# Altium PCB Version_2.PcbDoc (part 1 of 6) (continued)
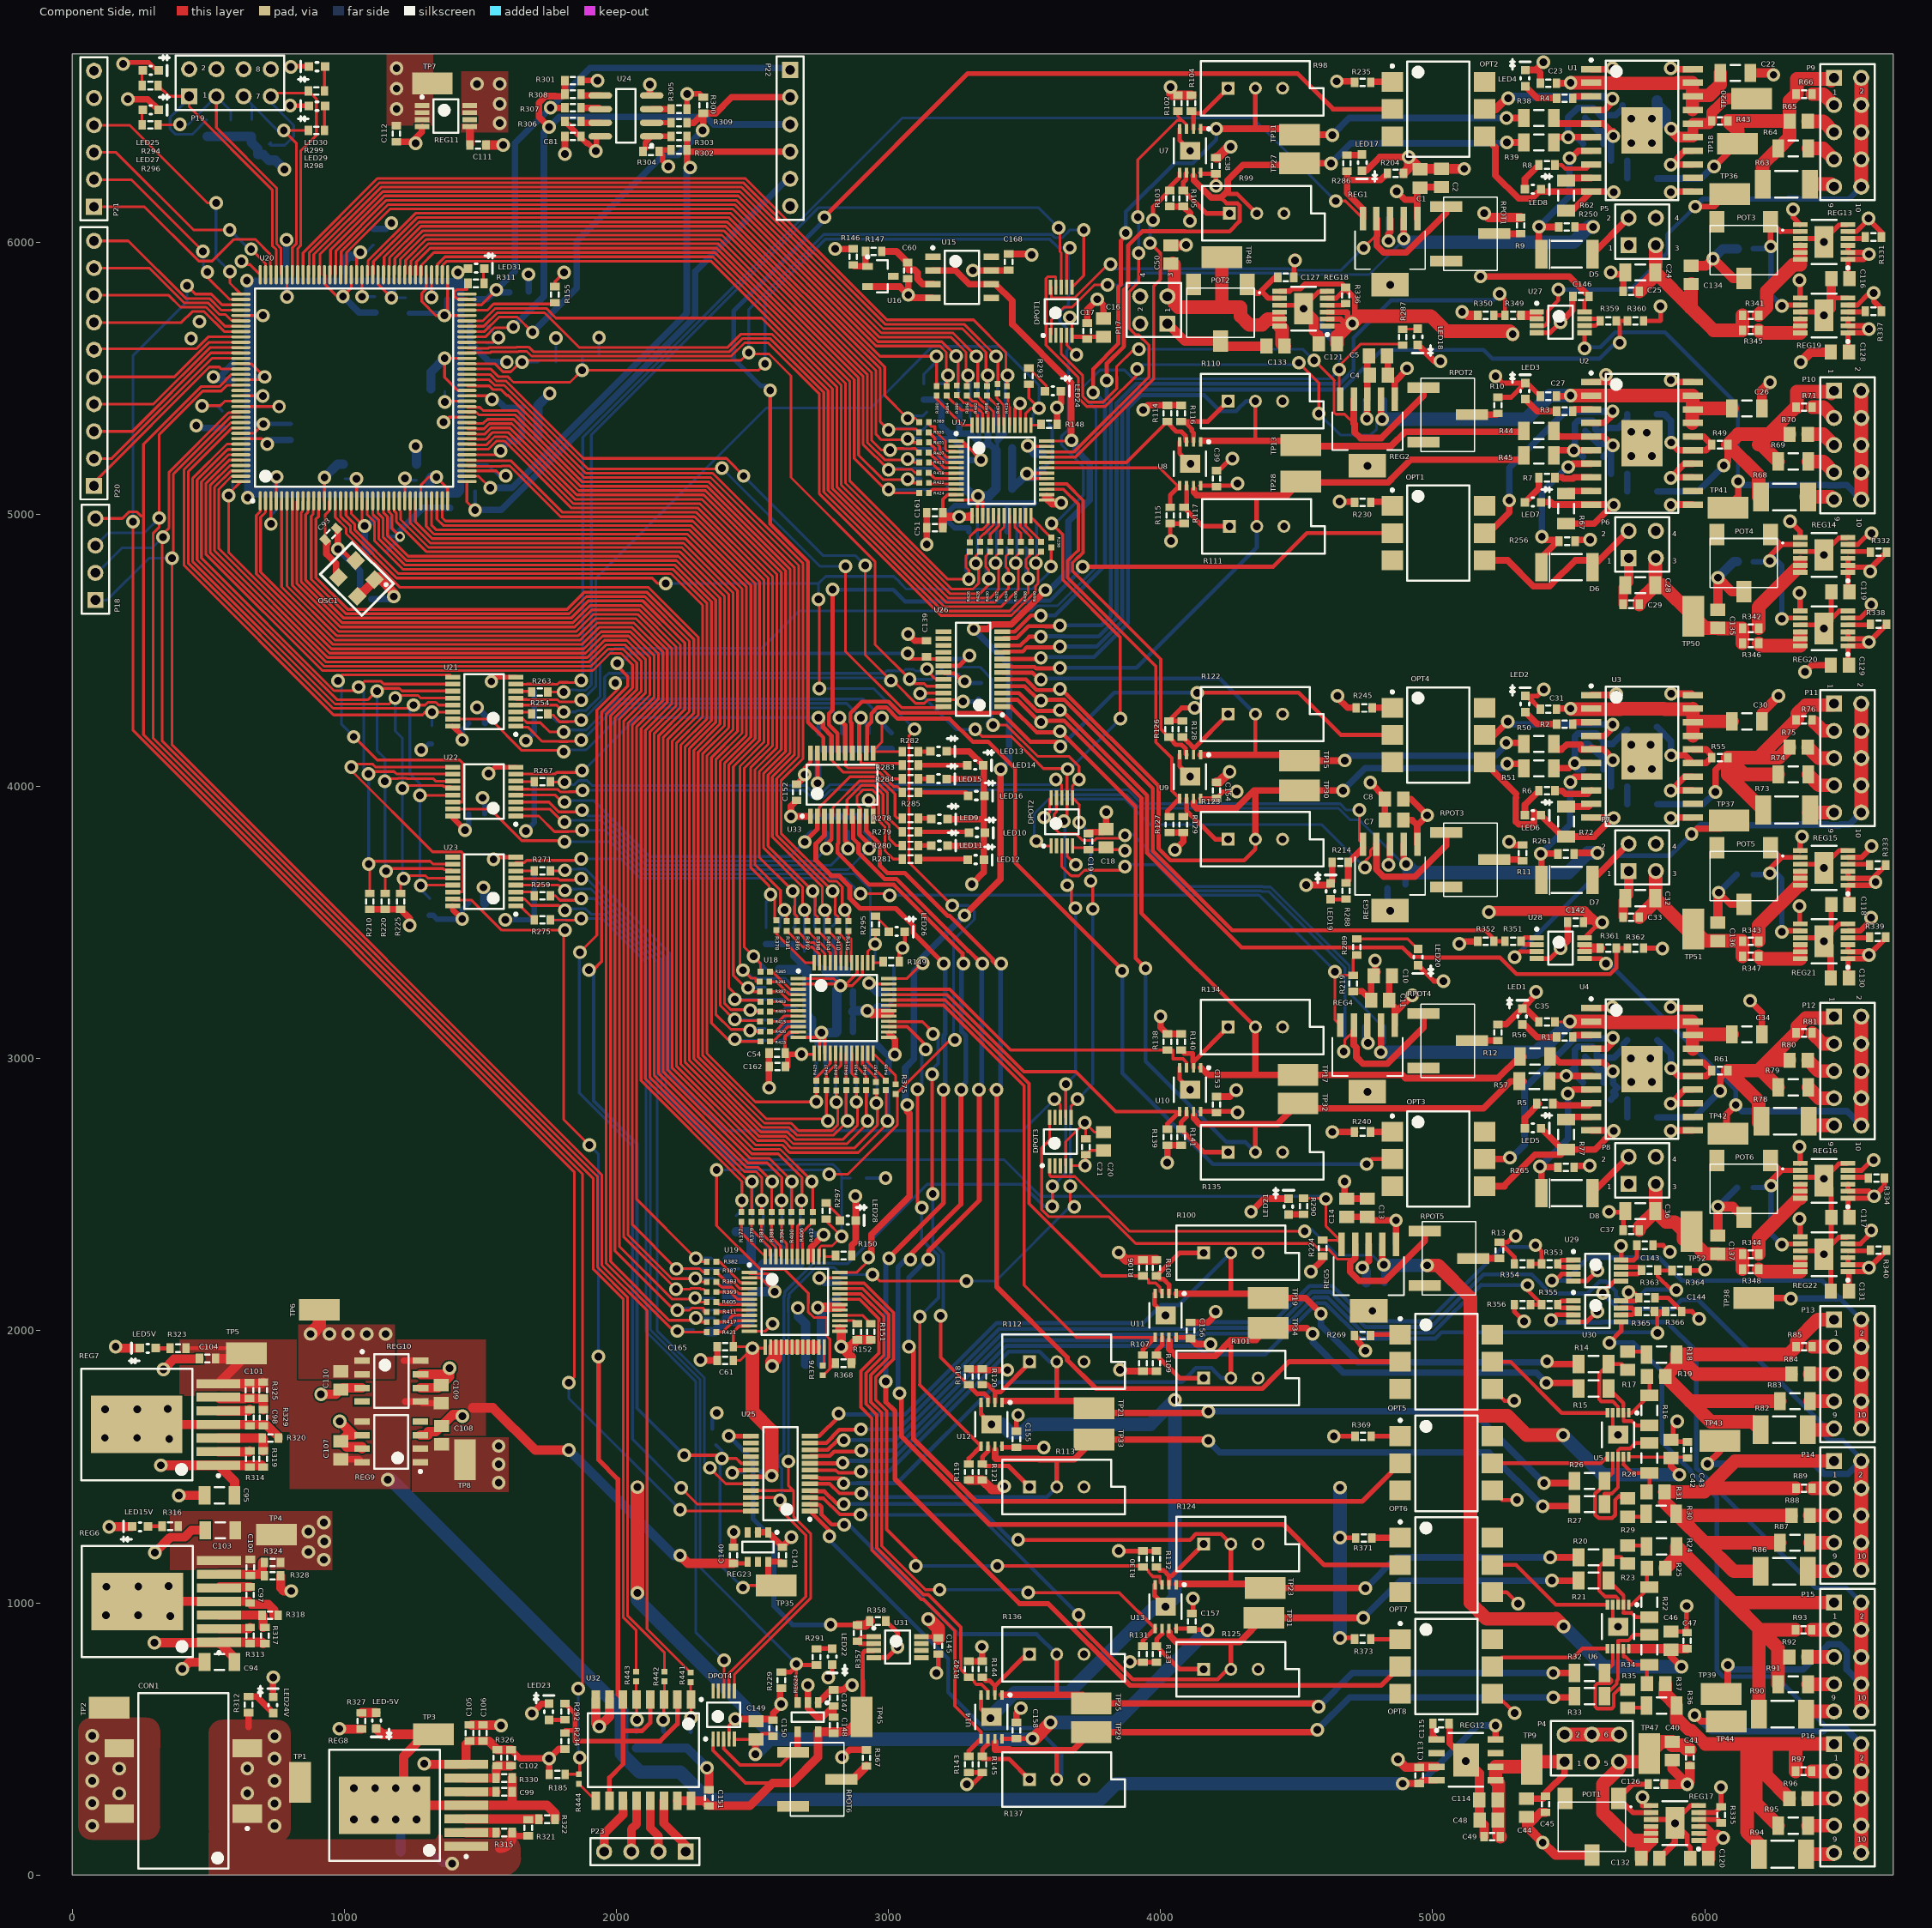
[diagram p0: Component Side view]
## Components (designator, comment, footprint, x,y, rotation, side; value= is the part's Value field where it differs from the comment) (continued)
R47 "Res3" J1-0603#1 5685.24,5149.27 r180 bottom
R48 "Res3" RES_1206 5770.24,5084.27 r0 bottom
R49 "Res3" J1-0603#1 6055.24,5255.96 r0 top
R50 "Res3" RES_1206 5390.24,4156.73 r180 top
R51 "Res3" RES_1206 5390.24,4066.8 r180 top
R52 "Res3" RES_1206 5769.68,4218.5 r0 bottom
R53 "Res3" J1-0603#1 5685.24,3999.27 r180 bottom
R54 "Res3" RES_1206 5770.24,3934.27 r0 bottom
R55 "Res3" J1-0603#1 6055.24,4105.96 r0 top
R56 "Res3" RES_1206 5375.98,3007.87 r180 top
R57 "Res3" RES_1206 5374.02,2917.32 r180 top
R58 "Res3" RES_1206 5770.67,3066.93 r0 bottom
R59 "Res3" J1-0603#1 5685.24,2849.27 r180 bottom
R60 "Res3" RES_1206 5770.24,2784.27 r0 bottom
R61 "Res3" J1-0603#1 6055.24,2955.96 r0 top
R62 "Res3" RES_1206 5490.24,6171 r90 top
R63 "Res3" RES_2010 6300.2,6212.6 r180 top
R64 "Res3" RES_1206 6325.24,6344.27 r180 top
R65 "Res3" RES_0805 6345.24,6444.27 r180 top
R66 "Res3" J1-0603#1 6365.24,6544.27 r180 top
R67 "Res3" RES_1206 5490.24,5021 r90 top
R68 "Res3" RES_2010 6293.31,5063.98 r180 top
R69 "Res3" RES_1206 6325.24,5194.27 r180 top
R70 "Res3" RES_0805 6345.24,5294.27 r180 top
R71 "Res3" J1-0603#1 6365.24,5394.27 r180 top
R72 "Res3" RES_1206 5490.24,3871 r90 top
R73 "Res3" RES_2010 6301.18,3913.39 r180 top
R74 "Res3" RES_1206 6325.24,4044.27 r180 top
R75 "Res3" RES_0805 6345.24,4144.27 r180 top
R76 "Res3" J1-0603#1 6365.24,4244.27 r180 top
R77 "Res3" RES_1206 5490.24,2721 r90 top
R78 "Res3" RES_2010 6295.28,2769.68 r180 top
R79 "Res3" RES_1206 6325.24,2894.27 r180 top
R80 "Res3" RES_0805 6345.24,2994.27 r180 top
R81 "Res3" J1-0603#1 6365.24,3094.27 r180 top
R82 "Res3" RES_2010 6292.4,1635.96 r180 top
R83 "Res3" RES_1206 6331.77,1740.96 r180 top
R84 "Res3" RES_0805 6352.44,1840.96 r180 top
R85 "Res3" J1-0603#1 6365.24,1940.96 r180 top
R86 "Res3" RES_2010 6292.4,1115.96 r180 top
R87 "Res3" RES_1206 6331.77,1220.96 r180 top
R88 "Res3" RES_0805 6352.44,1320.96 r180 top
R89 "Res3" J1-0603#1 6365.24,1420.96 r180 top
R90 "Res3" RES_2010 6285.58,590.96 r180 top
R91 "Res3" RES_1206 6324.95,700.96 r180 top
R92 "Res3" RES_0805 6344.63,800.96 r180 top
R93 "Res3" J1-0603#1 6363.33,900.96 r180 top
R94 "Res3" RES_2010 6285.58,75.96 r180 top
R95 "Res3" RES_1206 6324.95,180.96 r180 top
R96 "Res3" RES_0805 6344.63,280.96 r180 top
R97 "Res3" J1-0603#1 6363.33,380.96 r180 top
R98 "RPot" VR5 4348.55,6565.96 r0 top
R99 "RPot" VR5 4353.55,6105.96 r0 top
R100 "RPot" VR5 4258.55,2285.96 r0 top
R101 "RPot" VR5 4258.55,1825.96 r0 top
R102 "Res3" J1-0603#1 4063.54,6510.96 r270 top
R103 "Res3" J1-0603#1 4033.54,6160.96 r90 top
R104 "Res3" J1-0603#1 4113.55,6510.96 r270 top
R105 "Res3" J1-0603#1 4083.54,6160.96 r90 top
R106 "Res3" J1-0603#1 3935.24,2230.96 r270 top
R107 "Res3" J1-0603#1 3935.24,1880.96 r90 top
R108 "Res3" J1-0603#1 3985.24,2230.96 r270 top
R109 "Res3" J1-0603#1 3985.24,1880.96 r90 top
R110 "RPot" VR5 4348.55,5415.96 r0 top
R111 "RPot" VR5 4353.55,4955.96 r0 top
R112 "RPot" VR5 3618.54,1885.96 r0 top
R113 "RPot" VR5 3618.54,1425.96 r0 top
R114 "Res3" J1-0603#1 4025.24,5370.96 r270 top
R115 "Res3" J1-0603#1 4035.24,4995.96 r90 top
R116 "Res3" J1-0603#1 4075.24,5370.96 r270 top
R117 "Res3" J1-0603#1 4086.3,4995.96 r90 top
R118 "Res3" J1-0603#1 3295.24,1830.96 r270 top
R119 "Res3" J1-0603#1 3295.24,1480.96 r90 top
R120 "Res3" J1-0603#1 3345.24,1830.96 r270 top
R121 "Res3" J1-0603#1 3345.24,1480.96 r90 top
R122 "RPot" VR5 4348.55,4265.96 r0 top
R123 "RPot" VR5 4348.55,3805.96 r0 top
R124 "RPot" VR5 4258.55,1215.96 r0 top
R125 "RPot" VR5 4258.55,755.96 r0 top
R126 "Res3" J1-0603#1 4030.24,4210.96 r270 top
R127 "Res3" J1-0603#1 4033.11,3859.98 r90 top
R128 "Res3" J1-0603#1 4080.24,4210.96 r270 top
R129 "Res3" J1-0603#1 4083.11,3859.98 r90 top
R130 "Res3" J1-0603#1 3935.24,1160.96 r270 top
R131 "Res3" J1-0603#1 3935.24,810.96 r90 top
R132 "Res3" J1-0603#1 3985.24,1160.96 r270 top
R133 "Res3" J1-0603#1 3985.24,810.96 r90 top
R134 "RPot" VR5 4348.55,3115.96 r0 top
R135 "RPot" VR5 4348.55,2655.96 r0 top
R136 "RPot" VR5 3618.54,810.96 r0 top
R137 "RPot" VR5 3618.54,350.96 r0 top
R138 "Res3" J1-0603#1 4025.24,3060.96 r270 top
R139 "Res3" J1-0603#1 4025.24,2710.96 r90 top
R140 "Res3" J1-0603#1 4075.24,3060.96 r270 top
R141 "Res3" J1-0603#1 4075.24,2710.96 r90 top
R142 "Res3" J1-0603#1 3295.24,755.96 r270 top
R143 "Res3" J1-0603#1 3295.24,405.96 r90 top
R144 "Res3" J1-0603#1 3345.24,755.96 r270 top
R145 "Res3" J1-0603#1 3345.24,405.96 r90 top
R146 "Res3" J1-0603#1 2870.24,5945.96 r90 top
R147 "Res3" J1-0603#1 2945.24,5965.96 r0 top
R148 "Res3" J1-0603#1 3590.24,5330.96 r180 top
R149 "Res3" J1-0603#1 3010.24,3355.96 r180 top
R150 "Res3" J1-0603#1 2835.24,2275.96 r180 top
R151 "Res3" J1-0603#1 2935.24,1995.96 r90 top
R152 "Res3" J1-0603#1 2885.24,1995.96 r90 top
R153 "Res3" J1-0603#1 1453.07,5182.8 r180 bottom
R154 "Res3" J1-0603#1 618.43,5118.82 r0 bottom
R155 "Res3" J1-0603#1 1773.62,5807.09 r90 top
R156 "Res3" J1-0603#1 1453.07,5791.06 r0 bottom
R157 "Res3" J1-0603#1 1647.64,5818.9 r180 bottom
R158 "Res3" J1-0603#1 2678.15,3085.63 r0 bottom
R159 "Res3" J1-0603#1 2736.22,3021.65 r90 bottom
R160 "Res3" J1-0603#1 2770.24,2920.96 r90 bottom
R161 "Res3" J1-0603#1 2812.01,3022.64 r90 bottom
R162 "Res3" J1-0603#1 2845.24,2920.96 r90 bottom
R163 "Res3" J1-0603#1 3435.24,4906.43 r90 bottom
R164 "Res3" J1-0603#1 2884.84,3023.62 r90 bottom
R165 "Res3" J1-0603#1 2716.03,3862.14 r90 bottom
R166 "Res3" J1-0603#1 496.06,6418.31 r270 bottom
R167 "Res3" J1-0603#1 3469.25,5010.29 r90 bottom
R168 "Res3" J1-0603#1 2925.24,2920.96 r90 bottom
R169 "Res3" J1-0603#1 2776.03,3862.14 r90 bottom
R170 "Res3" J1-0603#1 2272.64,496.06 r270 bottom
R171 "Res3" J1-0603#1 582.68,6419.29 r270 bottom
R172 "Res3" J1-0603#1 3505.24,4906.43 r90 bottom
R173 "Res3" J1-0603#1 2957.68,3021.65 r90 bottom
R174 "Res3" J1-0603#1 2851.03,3862.14 r90 bottom
R175 "Res3" J1-0603#1 2175.2,496.06 r270 bottom
R176 "Res3" J1-0603#1 660.43,6420.28 r270 bottom
R177 "Res3" J1-0603#1 3534.25,5010.29 r90 bottom
R178 "Res3" J1-0603#1 3000.24,2920.96 r90 bottom
R179 "Res3" J1-0603#1 2916.03,3862.14 r90 bottom
R180 "Res3" J1-0603#1 2072.83,496.06 r270 bottom
R181 "Res3" J1-0603#1 723.43,6330.71 r270 bottom
R182 "Res3" J1-0603#1 2845.08,3352.3 r270 bottom
R183 "Res3" J1-0603#1 2715.24,2393.6 r270 bottom
R184 "Res3" J1-0603#1 3011.03,4167.14 r270 bottom
R185 "Res3" J1-0603#1 1782.48,369.09 r180 top
R186 "Res3" J1-0603#1 3425.24,5325.96 r270 bottom
R187 "Res3" J1-0603#1 2800.24,3460.96 r270 bottom
R188 "Res3" J1-0603#1 2675.24,2275.96 r270 bottom
R189 "Res3" J1-0603#1 2926.03,4167.14 r270 bottom
R190 "Res3" J1-0603#1 1906.5,5585.63 r0 bottom
R191 "Res3" J1-0603#1 3400.24,5425.96 r270 bottom
R192 "Res3" J1-0603#1 2766.34,3352.3 r270 bottom
R193 "Res3" J1-0603#1 2640.24,2393.6 r270 bottom
R194 "Res3" J1-0603#1 2831.03,4167.14 r270 bottom
R195 "Res3" J1-0603#1 3330.71,4351.38 r90 bottom
R196 "Res3" J1-0603#1 3365.24,5325.96 r270 bottom
R197 "Res3" J1-0603#1 2730.24,3460.96 r270 bottom
R198 "Res3" J1-0603#1 2615.24,2275.96 r270 bottom
R199 "Res3" J1-0603#1 2743.32,4164.84 r270 bottom
R200 "Res3" J1-0603#1 1748.03,5559.06 r0 bottom
R201 "Res3" J1-0603#1 3330.24,5425.96 r270 bottom
R202 "Res3" J1-0603#1 2700.24,3355.96 r270 bottom
R203 "Res3" J1-0603#1 2570.24,2393.6 r270 bottom
R204 "Res3" J1-0603#1 4863.19,6252.95 r0 top
R205 "Res3" J1-0603#1 1320.87,4186.02 r270 bottom
R206 "Res3" J1-0603#1 3300.24,5325.96 r270 bottom
R207 "Res3" J1-0603#1 2650.24,3450.96 r270 bottom
R208 "Res3" J1-0603#1 2555.24,2275.96 r270 bottom
R209 "Res3" J1-0603#1 4658.46,5617.13 r90 bottom
R210 "Res3" J1-0603#1 1093.5,3577.76 r270 top
R211 "Res3" J1-0603#1 3260.24,5425.96 r270 bottom
R212 "Res3" J1-0603#1 2600.24,3450.96 r270 bottom
R213 "Res3" J1-0603#1 2500.24,2393.6 r270 bottom
R214 "Res3" J1-0603#1 4660.24,3720.96 r180 top
R215 "Res3" J1-0603#1 1315.94,3551.18 r270 bottom
R216 "Res3" J1-0603#1 3180.24,5450.96 r270 bottom
R217 "Res3" J1-0603#1 2550.24,3450.96 r270 bottom
R218 "Res3" J1-0603#1 2440.24,2393.6 r270 bottom
R219 "Res3" J1-0603#1 4707.68,3276.57 r270 top
R220 "Res3" J1-0603#1 1150.1,3577.76 r270 top
R221 "Res3" J1-0603#1 3130.24,5450.96 r270 bottom
R222 "Res3" J1-0603#1 2565.24,3330.96 r0 bottom
R223 "Res3" J1-0603#1 2376.46,2265.95 r0 bottom
R224 "Res3" J1-0603#1 4595.47,2303.15 r270 top
R225 "Res3" J1-0603#1 1206.69,3577.76 r270 top
R226 "Res3" J1-0603#1 3165.24,5375.96 r0 bottom
R227 "Res3" J1-0603#1 2670.24,3273.17 r0 bottom
R228 "Res3" J1-0603#1 2487.2,2221.46 r0 bottom
R229 "Res3" J1-0603#1 2606.3,715.55 r270 top
R230 "Res3" J1-0603#1 4743.11,5044.29 r0 top
R231 "Res3" J1-0603#1 3165.24,5325.96 r0 bottom
R232 "Res3" J1-0603#1 2559.06,3248.03 r0 bottom
R233 "Res3" J1-0603#1 2376.46,2192.95 r0 bottom
R234 "Res3" J1-0603#1 1811.02,492.13 r270 top
R235 "Res3" J1-0603#1 4743.11,6587.6 r0 top
R236 "Res3" J1-0603#1 3145.24,5275.96 r0 bottom
R237 "Res3" J1-0603#1 2670.24,3216.5 r0 bottom
R238 "Res3" R0402 3598.43,4896.65 r270 top
R239 "Res3" J1-0603#1 3560.71,5330.96 r0 bottom
R240 "Res3" J1-0603#1 4742.13,2730.32 r0 top
R241 "Res3" J1-0603#1 3248.24,5235.96 r0 bottom
R242 "Res3" J1-0603#1 2565.24,3173.17 r0 bottom
R243 "Res3" J1-0603#1 2376.46,2119.95 r0 bottom
R244 "Res3" J1-0603#1 2989.17,3341.54 r0 bottom
R245 "Res3" J1-0603#1 4748.03,4288.39 r0 top
R246 "Res3" J1-0603#1 3145.24,5200.96 r0 bottom
R247 "Res3" J1-0603#1 2670.24,3159.83 r0 bottom
R248 "Res3" J1-0603#1 2485.24,2075.96 r0 bottom
R249 "Res3" J1-0603#1 2889.76,2561.02 r0 bottom
R250 "Res3" J1-0603#1 5493.55,6055.96 r180 top
R251 "Res3" J1-0603#1 3248.24,5160.96 r0 bottom
R252 "Res3" J1-0603#1 2563.9,3098.43 r0 bottom
R253 "Res3" J1-0603#1 2376.46,2046.95 r0 bottom
R254 "Res3" J1-0603#1 1718.5,4266.73 r180 top
R255 "Res3" J1-0603#1 1718.5,4266.73 r180 bottom
R256 "Res3" J1-0603#1 5494.09,4901.57 r180 top
R257 "Res3" J1-0603#1 3145.24,5130.96 r0 bottom
R258 "Res3" J1-0603#1 2306.46,1996.95 r0 bottom
R259 "Res3" J1-0603#1 1727.36,3598.43 r180 top
R260 "Res3" J1-0603#1 1727.36,3598.43 r180 bottom
R261 "Res3" J1-0603#1 5490.16,3751.97 r180 top
R262 "Res3" J1-0603#1 3248.24,5100.96 r0 bottom
R263 "Res3" J1-0603#1 1718.5,4347.44 r180 top
R264 "Res3" J1-0603#1 1718.5,4347.44 r180 bottom
R265 "Res3" J1-0603#1 5490.16,2600.39 r180 top
R266 "Res3" J1-0603#1 3295.24,4906.43 r90 bottom
R267 "Res3" J1-0603#1 1727.36,4017.72 r180 top
R268 "Res3" J1-0603#1 1727.36,4017.72 r180 bottom
R269 "Res3" J1-0603#1 4742.13,1982.28 r0 top
R270 "Res3" J1-0603#1 3329.25,5010.29 r90 bottom
R271 "Res3" J1-0603#1 1727.36,3689.96 r180 top
R272 "Res3" J1-0603#1 1727.36,3689.96 r180 bottom
R274 "Res3" J1-0603#1 3365.24,4906.43 r90 bottom
R275 "Res3" J1-0603#1 1727.36,3509.84 r180 top
R276 "Res3" J1-0603#1 1727.36,3509.84 r180 bottom
R277 "Res3" J1-0603#1 3399.25,5010.29 r90 bottom
R278 "Res3" J1-0603#1 3080.24,3883.13 r0 top
R279 "Res3" J1-0603#1 3080.24,3833.13 r0 top
R280 "Res3" J1-0603#1 3080.24,3783.13 r0 top
R281 "Res3" J1-0603#1 3080.24,3733.13 r0 top
R282 "Res3" J1-0603#1 3080.24,4128.13 r0 top
R283 "Res3" J1-0603#1 3080.24,4078.13 r0 top
R284 "Res3" J1-0603#1 3080.24,4028.13 r0 top
R285 "Res3" J1-0603#1 3080.24,3978.13 r0 top
R286 "Res3" J1-0603#1 4685.24,6290.96 r90 top
R287 "Res3" J1-0603#1 4890.24,5650.96 r90 top
R288 "Res3" J1-0603#1 4682.09,3616.14 r270 top
R289 "Res3" J1-0603#1 4721.46,3410.43 r90 top
R290 "Res3" J1-0603#1 4525.59,2457.27 r270 top
R291 "Res3" J1-0603#1 2735.24,801.18 r90 top
R292 "Res3" J1-0603#1 1811.02,600.39 r270 top
R293 "Res3" J1-0603#1 3515.75,5507.87 r90 top
R294 "Res3" J1-0603#1 286.34,6575.96 r180 top
R295 "Res3" J1-0603#1 2952.17,3493.52 r90 top
R296 "Res3" J1-0603#1 286.34,6430.96 r180 top
R297 "Res3" J1-0603#1 2770.67,2439.96 r90 top
R298 "Res3" J1-0603#1 897.8,6410.96 r0 top
R299 "Res3" J1-0603#1 897.8,6555.96 r0 top
R300 "Res3" J1-0603#1 2318.97,6503.41 r270 top
R301 "Res3" J1-0603#1 1840.2,6594.04 r180 top
R302 "Res3" J1-0603#1 2230.2,6339.04 r0 top
R303 "Res3" J1-0603#1 2230.2,6389.04 r0 top
R304 "Res3" J1-0603#1 2126.97,6333.66 r180 top
R305 "Res3" J1-0603#1 2230.2,6489.04 r180 top
R306 "Res3" J1-0603#1 1840.2,6444.04 r0 top
R307 "Res3" J1-0603#1 1840.2,6494.04 r0 top
R308 "Res3" J1-0603#1 1840.2,6544.04 r0 top
R309 "Res3" J1-0603#1 2230.2,6439.04 r180 top
R310 "Res3" J1-0603#1 1453.07,5086.34 r180 bottom
R311 "Res3" J1-0603#1 1484.25,5848.43 r180 top
R312 "Res3" J1-0603#1 648.23,625.96 r90 top
R313 "Res3" J1-0603#1 653.54,879.92 r90 top
R314 "Res3" J1-0603#1 652.56,1528.54 r90 top
R315 "Res3" J1-0603#1 1587.64,155.96 r180 top
R316 "Res3" J1-0603#1 360.24,1281.5 r180 top
R317 "Res3" J1-0603#1 707.68,879.92 r90 top
R318 "Res3" J1-0603#1 727.36,954.72 r0 top
R319 "Res3" J1-0603#1 701.77,1528.54 r90 top
R320 "Res3" J1-0603#1 728.35,1605.31 r0 top
R321 "Res3" J1-0603#1 1676.18,173.23 r90 top
R322 "Res3" J1-0603#1 1745.08,204.72 r0 top
R323 "Res3" J1-0603#1 388.78,1936.03 r180 top
R324 "Res3" J1-0603#1 736.22,1148.62 r0 top
R325 "Res3" J1-0603#1 701.77,1781.5 r90 top
R326 "Res3" J1-0603#1 1562.64,430.96 r90 top
R327 "Res3" J1-0603#1 1062.64,565.96 r90 top
R328 "Res3" J1-0603#1 736.22,1099.41 r180 top
R329 "Res3" J1-0603#1 702.76,1680.12 r90 top
R330 "Res3" J1-0603#1 1587.64,355.96 r180 top
R331 "Res3" J1-0603#1 6620.08,6018.7 r0 top
R332 "Res3" J1-0603#1 6638.55,4860.96 r0 top
R333 "Res3" J1-0603#1 6635.83,3710.63 r0 top
R334 "Res3" J1-0603#1 6630.91,2561.02 r0 top
R335 "Res3" J1-0603#1 6060.24,220.96 r90 top
R336 "Res3" J1-0603#1 4680.12,5804.13 r90 top
R337 "Res3" J1-0603#1 6620.08,5745.96 r0 top
R338 "Res3" J1-0603#1 6638.55,4595.96 r0 top
R339 "Res3" J1-0603#1 6635.83,3445.87 r0 top
R340 "Res3" J1-0603#1 6638.55,2295.96 r0 top
R341 "Res3" J1-0603#1 6168.54,5730.96 r0 top
R342 "Res3" J1-0603#1 6168.55,4580.96 r0 top
R343 "Res3" J1-0603#1 6168.55,3430.96 r0 top
R344 "Res3" J1-0603#1 6168.55,2280.96 r0 top
R345 "Res3" J1-0603#1 6168.55,5675.96 r0 top
R346 "Res3" J1-0603#1 6168.55,4525.96 r0 top
R347 "Res3" J1-0603#1 6168.55,3375.96 r0 top
R348 "Res3" J1-0603#1 6168.55,2225.96 r0 top
R349 "Res3" J1-0603#1 5295.24,5730.96 r180 top
R350 "Res3" J1-0603#1 5195.24,5730.96 r180 top
R351 "Res3" J1-0603#1 5295.24,3430.96 r180 top
R352 "Res3" J1-0603#1 5195.24,3430.96 r180 top
R353 "Res3" J1-0603#1 5430.24,2245.96 r180 top
R354 "Res3" J1-0603#1 5330.24,2245.96 r180 top
R355 "Res3" J1-0603#1 5430.24,2095.96 r180 top
R356 "Res3" J1-0603#1 5330.24,2095.96 r180 top
R357 "Res3" J1-0603#1 2885.83,888.78 r90 top
R358 "Res3" J1-0603#1 2960.63,933.07 r0 top
R359 "Res3" J1-0603#1 5645.24,5710.96 r0 top
R360 "Res3" J1-0603#1 5745.24,5710.96 r0 top
R361 "Res3" J1-0603#1 5645.24,3405.96 r0 top
R362 "Res3" J1-0603#1 5745.24,3405.96 r0 top
R363 "Res3" J1-0603#1 5797.24,2222.44 r0 top
R364 "Res3" J1-0603#1 5909.45,2221.46 r0 top
R365 "Res3" J1-0603#1 5786.06,2070.96 r0 top
R366 "Res3" J1-0603#1 5886.06,2070.96 r0 top
R367 "Res3" J1-0603#1 2919.29,430.12 r270 top
R368 "Res3" J1-0603#1 2834.65,1880.91 r0 top
R369 "Res3" J1-0603#1 4744.09,1612.2 r0 top
R371 "Res3" J1-0603#1 4747.05,1238.19 r0 top
R373 "Res3" J1-0603#1 4743.11,867.13 r0 top
R375 "Res3" R0402 3026.57,2887.8 r270 top
R376 "Res3" R0402 2758.86,1854.33 r270 top
R377 "Res3" R0402 2459.65,2418.31 r270 top
R378 "Res3" R0402 2588.58,3490.16 r270 top
R379 "Res3" R0402 2496.49,2418.31 r270 top
R380 "Res3" R0402 3176.74,5453.74 r270 top
R381 "Res3" R0402 2626.41,3487.2 r270 top
R382 "Res3" R0402 2349.41,2252.95 r180 top
R383 "Res3" R0402 2533.32,2418.31 r270 top
R384 "Res3" R0402 3213.72,5453.74 r270 top
R385 "Res3" R0402 2547.24,3318.76 r180 top
R386 "Res3" R0402 2664.23,3487.2 r270 top
R387 "Res3" R0402 2349.41,2216.11 r180 top
R388 "Res3" R0402 2570.16,2418.31 r270 top
R389 "Res3" R0402 3130.91,5338.58 r180 top
R390 "Res3" R0402 3250.98,5455.71 r270 top
R391 "Res3" R0402 2544.29,3282.48 r180 top
R392 "Res3" R0402 2702.05,3487.2 r270 top
R393 "Res3" R0402 2349.41,2179.27 r180 top
R394 "Res3" R0402 2607,2418.31 r270 top
R395 "Res3" R0402 3129.92,5301.18 r180 top
R396 "Res3" R0402 3287.68,5453.74 r270 top
R397 "Res3" R0402 2545.28,3247.05 r180 top
R398 "Res3" R0402 2739.87,3487.2 r270 top
R399 "Res3" R0402 2349.41,2142.44 r180 top
R400 "Res3" R0402 2643.84,2418.31 r270 top
R401 "Res3" R0402 3130.91,5264.34 r180 top
R402 "Res3" R0402 3323.82,5456.69 r270 top
R403 "Res3" R0402 2547.24,3209.08 r180 top
R404 "Res3" R0402 2777.7,3487.2 r270 top
R405 "Res3" R0402 2349.41,2105.6 r180 top
R406 "Res3" R0402 2680.68,2418.31 r270 top
R407 "Res3" R0402 3129.92,5226.38 r180 top
R408 "Res3" R0402 3361.64,5453.74 r270 top
R409 "Res3" R0402 2547.24,3172.53 r180 top
R410 "Res3" R0402 2815.52,3487.2 r270 top
R411 "Res3" R0402 2349.41,2068.76 r180 top
R412 "Res3" R0402 2722.44,2418.31 r270 top
R413 "Res3" R0402 3130.91,5190.1 r180 top
R414 "Res3" R0402 3400.59,5461.61 r270 top
R415 "Res3" R0402 2546.26,3135.83 r180 top
R416 "Res3" R0402 2853.34,3487.2 r270 top
R417 "Res3" R0402 2349.41,2031.92 r180 top
R418 "Res3" R0402 3129.92,5152.56 r180 top
R419 "Res3" R0402 3435.6,5453.74 r270 top
R420 "Res3" R0402 2547.24,3099.41 r180 top
R421 "Res3" R0402 2349.41,1995.08 r180 top
R422 "Res3" R0402 3130.91,5115.86 r180 top
R423 "Res3" R0402 2547.24,3062.85 r180 top
R424 "Res3" R0402 3130.91,5078.74 r180 top
R425 "Res3" R0402 2735.24,2901.57 r270 top
R426 "Res3" R0402 3299.21,4879.92 r270 top
R427 "Res3" R0402 2771.65,2901.57 r270 top
R428 "Res3" R0402 3336.62,4880.91 r270 top
R429 "Res3" R0402 2808.07,2900.59 r270 top
R430 "Res3" R0402 3374.02,4880.91 r270 top
R431 "Res3" R0402 2844.49,2901.57 r270 top
R432 "Res3" R0402 3411.42,4880.91 r270 top
R433 "Res3" R0402 2880.91,2901.57 r270 top
R434 "Res3" R0402 3448.82,4880.91 r270 top
R435 "Res3" R0402 2917.32,2901.57 r270 top
R436 "Res3" R0402 3486.22,4880.91 r270 top
R437 "Res3" R0402 2953.74,2896.65 r270 top
R438 "Res3" R0402 3523.62,4880.91 r270 top
R439 "Res3" R0402 2990.16,2901.57 r270 top
R440 "Res3" R0402 3561.02,4880.91 r270 top
R441 "Res3" R0402 2272.64,726.38 r90 top
R442 "Res3" R0402 2176.18,729.33 r90 top
R443 "Res3" R0402 2072.83,729.33 r90 top
R444 "Res3" R0402 1862.2,352.36 r270 top
REG1 "TPS73801_DCQ6" TPS73801_DCQ6 4843.55,5970.96 r180 top
REG2 "TPS73801_DCQ6" TPS73801_DCQ6 4760.24,5305.96 r180 top
REG3 "TPS73801_DCQ6" TPS73801_DCQ6 4843.55,3670.96 r180 top
REG4 "TPS73801_DCQ6" TPS73801_DCQ6 4760.24,3005.96 r180 top
REG5 "TPS73801_DCQ6" TPS73801_DCQ6 4765.24,2200.96 r180 top
REG6 "LMZ14203_NDW" LMZ14203_NDW 239.17,1004.92 r180 top
REG7 "LMZ14203_NDW" LMZ14203_NDW 237.2,1655.51 r180 top
REG8 "LMZ14203_NDW" LMZ14203_NDW 1147.64,255.96 r180 top
REG9 "LT1936A_S8" LT1936A_S8 1172.36,1591.32 r180 top
REG10 "LT1936A_S8" LT1936A_S8 1173.03,1814.54 r0 top
REG11 "LT3020_MS8" LT3020_MS8 1373.03,6463.52 r0 top
REG12 "LP3879_SOIC8" LP3879_SOIC8 5122.88,422.65 r0 top
REG13 "LT3090_MSOP12" LT3090_MSOP12 6438.55,6000.96 r180 top
REG14 "LT3090_MSOP12" LT3090_MSOP12 6438.55,4850.96 r180 top
REG15 "LT3090_MSOP12" LT3090_MSOP12 6438.55,3700.96 r180 top
REG16 "LT3090_MSOP12" LT3090_MSOP12 6438.55,2550.96 r180 top
REG17 "LT3090_MSOP12" LT3090_MSOP12 5890.24,190.96 r180 top
REG18 "LT3090_MSOP12" LT3090_MSOP12 4525.24,5755.96 r180 top
REG19 "LT3090_MSOP12" LT3090_MSOP12 6438.55,5730.96 r180 top
REG20 "LT3090_MSOP12" LT3090_MSOP12 6438.55,4580.96 r180 top
REG21 "LT3090_MSOP12" LT3090_MSOP12 6438.55,3430.96 r180 top
REG22 "LT3090_MSOP12" LT3090_MSOP12 6438.55,2280.96 r180 top
REG23 "LT1790_TSOT6" LT1790_TSOT6 2520.24,1204.98 r270 top
REG24 "MIC5235_SOT23_5" MIC5235_SOT23_5 2703.74,579.72 r270 top
RPOT1 "TS63Y_POT" TS63Y_POT 5138.55,6030.96 r180 top
RPOT2 "TS63Y_POT" TS63Y_POT 5055.24,5365.96 r180 top
RPOT3 "TS63Y_POT" TS63Y_POT 5138.55,3730.96 r180 top
RPOT4 "TS63Y_POT" TS63Y_POT 5055.24,3065.96 r180 top
RPOT5 "TS63Y_POT" TS63Y_POT 5060.24,2265.96 r180 top
RPOT6 "TS63Y_POT" TS63Y_POT 2738.19,351.38 r180 top
TP1 "Test Point" TestPoint 838.23,340.96 r90 top
TP2 "Test Point" TestPoint 135.83,615.16 r180 top
TP3 "Test Point" TestPoint 1327.64,515.96 r0 top
TP4 "Test Point" TestPoint 750.98,1250 r0 top
TP5 "Test Point" TestPoint 639.76,1916.34 r0 top
TP6 "Test Point" TestPoint 908.46,2075.79 r0 top
TP7 "Test Point" TestPoint 1323.62,6582.56 r0 top
TP8 "Test Point" TestPoint 1442.36,1526.32 r270 top
TP9 "Test Point" TestPoint 5365.24,405.96 r90 top
TP11 "Test Point" TestPoint 4510.24,6395.96 r180 top
TP13 "Test Point" TestPoint 4515.24,5255.96 r180 top
TP15 "Test Point" TestPoint 4510.24,4095.96 r180 top
TP17 "Test Point" TestPoint 4505.24,2940.96 r180 top
TP18 "Test Point" TestPoint 6121.06,6363.19 r180 top
TP19 "Test Point" TestPoint 4395.24,2120.96 r180 top
TP20 "Test Point" TestPoint 6172.24,6528.54 r180 top
TP21 "Test Point" TestPoint 3755.24,1715.96 r180 top
TP23 "Test Point" TestPoint 4385.24,1055.96 r180 top
TP25 "Test Point" TestPoint 3745.24,630.96 r180 top
TP27 "Test Point" TestPoint 4510.24,6290.96 r180 top
TP28 "Test Point" TestPoint 4515.24,5120.96 r180 top
TP29 "Test Point" TestPoint 3745.24,525.96 r180 top
TP30 "Test Point" TestPoint 4510.24,3985.96 r180 top
TP31 "Test Point" TestPoint 4380.24,945.96 r180 top
TP32 "Test Point" TestPoint 4505.24,2835.96 r180 top
TP33 "Test Point" TestPoint 3755.24,1600.96 r180 top
TP34 "Test Point" TestPoint 4395.24,2010.96 r180 top
TP35 "Test Point" TestPoint 2586.61,1062.99 r0 top
TP36 "Test Point" TestPoint 6092.52,6178.15 r180 top
TP37 "Test Point" TestPoint 6089.57,3875.98 r180 top
TP38 "Test Point" TestPoint 6180.24,2120.96 r180 top
TP39 "Test Point" TestPoint 6060.24,665.96 r180 top
TP41 "Test Point" TestPoint 6085.63,5025.59 r180 top
TP42 "Test Point" TestPoint 6085.63,2725.39 r180 top
TP43 "Test Point" TestPoint 6055.24,1595.96 r180 top
TP44 "Test Point" TestPoint 6078.74,564.96 r180 top
TP45 "Test Point" TestPoint 2902.56,580.71 r90 top
TP47 "Test Point" TestPoint 5795.24,445.96 r270 top
TP48 "Test Point" TestPoint 4225.24,5945.96 r180 top
TP50 "Test Point" TestPoint 5958.55,4625.96 r90 top
TP51 "Test Point" TestPoint 5958.55,3475.96 r90 top
TP52 "Test Point" TestPoint 5952.76,2365.16 r90 top
U1 "OPA564_HSOP20_BOTTOM" OPA564_HSOP20_BOTTOM 5769.49,6410.96 r0 top
U2 "OPA564_HSOP20_BOTTOM" OPA564_HSOP20_BOTTOM 5769.49,5260.96 r0 top
U3 "OPA564_HSOP20_BOTTOM" OPA564_HSOP20_BOTTOM 5769.49,4110.96 r0 top
U4 "OPA564_HSOP20_BOTTOM" OPA564_HSOP20_BOTTOM 5769.49,2960.96 r0 top
U5 "THS4226_10SOP" THS4226_10SOP 5681.58,1617.43 r270 top
U6 "THS4226_10SOP" THS4226_10SOP 5681.58,912.43 r270 top
U7 "LTC6269_MS8E" LTC6269_MSOP8 4108.55,6335.96 r270 top
U8 "LTC6269_MS8E" LTC6269_MSOP8 4108.55,5185.96 r270 top
U9 "LTC6269_MS8E" LTC6269_MSOP8 4108.55,4035.96 r270 top
U10 "LTC6269_MS8E" LTC6269_MSOP8 4108.55,2885.96 r270 top
U11 "LTC6269_MS8E" LTC6269_MSOP8 4018.54,2055.96 r270 top
U12 "LTC6269_MS8E" LTC6269_MSOP8 3378.54,1655.96 r270 top
U13 "LTC6269_MS8E" LTC6269_MSOP8 4018.54,985.96 r270 top
U14 "LTC6269_MS8E" LTC6269_MSOP8 3378.54,580.96 r270 top
U15 "OP193_SOIC8" OP193_SOIC8 3270.24,5870.96 r0 top
U16 "AD1580_SOT23_3" AD1580_SOT23_3 2970.32,5874.27 r0 top
U17 "ADC7125_LQFP48" ADV7125_LQFP48 3415.24,5160.96 r0 top
U18 "ADC7125_LQFP48" ADV7125_LQFP48 2835.24,3185.96 r0 top
U19 "ADC7125_LQFP48" ADV7125_LQFP48 2655.24,2105.96 r0 top
U20 "XC6SLX9-3TQG144C" TQG144_N 1035.31,5465 r90 top
U21 "MC74HC595A_TSSOP16" MC74HC595A_TSSOP16 1514.04,4311.73 r180 top
U22 "MC74HC595A_TSSOP16" MC74HC595A_TSSOP16 1514.04,3981.16 r180 top
U23 "MC74HC595A_TSSOP16" MC74HC595A_TSSOP16 1514.04,3650.59 r180 top
U24 "M25P16-VMN6P" MICT-MN-8_N 2035.2,6464.04 r180 top
U25 "MAX11625_24SSOP" MAX11625_24SSOP 2602.6,1475.02 r180 top
U26 "MAX11625_24SSOP" MAX11625_24SSOP 3310.24,4430.96 r180 top
U27 "MIC7122_MSOP8" MIC7122_MSOP8 5470.24,5705.96 r0 top
U28 "MIC7122_MSOP8" MIC7122_MSOP8 5470.24,3405.96 r0 top
U29 "MIC7122_MSOP8" MIC7122_MSOP8 5605.24,2220.96 r0 top
U30 "MIC7122_MSOP8" MIC7122_MSOP8 5605.24,2070.96 r0 top
U31 "MIC7122_MSOP8" MIC7122_MSOP8 3033.62,837.28 r0 top
U32 "MIC4468_SOIC16" MIC4468_SOIC16 2099.41,458.66 r270 top
U33 "SN74LV244A_TSOP20" SN74LV244A_TSOP20 2828.74,4006.89 r90 top

## Footprints (in the part's own frame and the unit in brackets; to place one, negate y for a bottom-side part, rotate by r counter-clockwise, add the part's x,y. Pads: shape width x height; smd on the part's side, far side on the other; paste and mask are expansions set on the pad)
4N38M_SMD6 [mm]
  rect 2x1.85 smd: 1(-4.3,2.54) 2(-4.3,0) 3(-4.3,-2.54) 4(4.3,-2.54) 5(4.3,0) 6(4.3,2.54)
  silkscreen extent -4.42,-4.45 2.9,4.45, body extent -3.3,-4.45 3.3,4.45, height 5.08
"100MHz oscillator" [mm]
  rect 1.24x1.29 smd: 1(0,-2.25) 2(2.5,-2.25) 3(2.5,0) 4(0,0)
  silkscreen extent -1.55,-3.22 3.92,0.98
AD1580_SOT23_3 [mm] "SOT23, 3-Leads, Body 2.92x2.37mm, Pitch 0.95mm, IPC Medium Density"
  rect 1x0.65 smd: 1(-1.2,0.95) 2(-1.2,-0.95) 3(1.2,0)
  silkscreen extent -1.32,-1.5 0.7,1.95, body extent -0.7,-1.52 0.7,1.52, height 1.12
AD5162_SOP10 [mm]
  rect 1.4x0.3 smd: 1(-2.25,1) 2(-2.25,0.5) 3(-2.25,0) 4(-2.25,-0.5) 5(-2.25,-1) 6(2.25,-1) 7(2.25,-0.5) 8(2.25,0) 9(2.25,0.5) 10(2.25,1)
  silkscreen extent -2.37,-1.55 1.15,1.82, body extent -1.55,-1.55 1.55,1.55, height 1.1
ADV7125_LQFP48 [mm] "LQFP, 48-Leads, Body 7.00x7.00mm, Pitch 0.50mm, IPC Medium Density"
  rect 1.45x0.3 smd: 1(-4.225,2.75) 2(-4.225,2.25) 3(-4.225,1.75) 4(-4.225,1.25) 5(-4.225,0.75) 6(-4.225,0.25) 7(-4.225,-0.25) 8(-4.225,-0.75) 9(-4.225,-1.25) 10(-4.225,-1.75) 11(-4.225,-2.25) 12(-4.225,-2.75) 25(4.225,-2.75) 26(4.225,-2.25) 27(4.225,-1.75) 28(4.225,-1.25) 29(4.225,-0.75) 30(4.225,-0.25) 31(4.225,0.25) 32(4.225,0.75) 33(4.225,1.25) 34(4.225,1.75) 35(4.225,2.25) 36(4.225,2.75)
  rect 0.3x1.45 smd: 13(-2.75,-4.225) 14(-2.25,-4.225) 15(-1.75,-4.225) 16(-1.25,-4.225) 17(-0.75,-4.225) 18(-0.25,-4.225) 19(0.25,-4.225) 20(0.75,-4.225) 21(1.25,-4.225) 22(1.75,-4.225) 23(2.25,-4.225) 24(2.75,-4.225) 37(2.75,4.225) 38(2.25,4.225) 39(1.75,4.225) 40(1.25,4.225) 41(0.75,4.225) 42(0.25,4.225) 43(-0.25,4.225) 44(-0.75,4.225) 45(-1.25,4.225) 46(-1.75,4.225) 47(-2.25,4.225) 48(-2.75,4.225)
  silkscreen extent -4.35,-3.1 3.1,3.57, body extent -3.5,-3.5 3.5,3.5, height 1.6
Barrel_2.1mmx5.5mm [mm]
  rect 2.75x1.7 smd: 1(-5.975,3.05) 1(-5.975,-3.05) 2(5.975,-3.05) 3(5.975,3.05)
  silkscreen extent -6.1,-8.2 4.2,8.2, body extent -4.6,-8.2 4.6,8.2, height 11.2
HDR1X4 [mm] "Connector; Header; 4 Position"
  rect 1.5x1.5 hole 0.9: 1(0,0)
  round 1.5 hole 0.9: 2(2.54,0) 3(5.08,0) 4(7.62,0)
  silkscreen extent -1.27,-1.27 8.89,1.27
HDR1X6 [mm] "Connector; Header; 6 Position"
  rect 1.5x1.5 hole 0.9: 1(0,0)
  round 1.5 hole 0.9: 2(2.54,0) 3(5.08,0) 4(7.62,0) 5(10.16,0) 6(12.7,0)
  silkscreen extent -1.27,-1.27 13.97,1.27
HDR1X10 [mm] "Connector; Header; 10 Position"
  rect 1.5x1.5 hole 0.9: 1(0,0)
  round 1.5 hole 0.9: 2(2.54,0) 3(5.08,0) 4(7.62,0) 5(10.16,0) 6(12.7,0) 7(15.24,0) 8(17.78,0) 9(20.32,0) 10(22.86,0)
  silkscreen extent -1.27,-1.27 24.13,1.27
HDR2X2 [mm] "Connector; Header; 2x2 Position"
  rect 1.5x1.5 hole 0.9: 1(0,0)
  round 1.5 hole 0.9: 2(0,2.54) 3(2.54,0) 4(2.54,2.54)
  silkscreen extent -1.27,-1.27 3.81,3.81
HDR2X3 [mm] "Connector; Header; 3x2 Position"
  rect 1.5x1.5 hole 0.9: 1(0,0)
  round 1.5 hole 0.9: 2(0,2.54) 3(2.54,0) 4(2.54,2.54) 5(5.08,0) 6(5.08,2.54)
  silkscreen extent -1.27,-1.27 6.35,3.81
HDR2X4 [mm] "Connector; Header; 4x2 Position"
  rect 1.5x1.5 hole 0.9: 1(0,0)
  round 1.5 hole 0.9: 2(0,2.54) 3(2.54,0) 4(2.54,2.54) 5(5.08,0) 6(5.08,2.54) 7(7.62,0) 8(7.62,2.54)
  silkscreen extent -1.27,-1.27 8.89,3.81
HDR2X5 [mm] "Connector; Header; 5x2 Position"
  rect 1.5x1.5 hole 0.9: 1(0,0)
  round 1.5 hole 0.9: 2(0,2.54) 3(2.54,0) 4(2.54,2.54) 5(5.08,0) 6(5.08,2.54) 7(7.62,0) 8(7.62,2.54) 9(10.16,0) 10(10.16,2.54)
  silkscreen extent -1.27,-1.27 11.43,3.81
J1-0603#1 [mm] "Chip Resistor, Body 1.6x0.8mm, IPC High Density"
  rect 0.7x0.9 smd: 1(-0.75,0) 2(0.75,0)
  silkscreen extent -0.2,-0.35 0.2,0.35, body extent -0.85,-0.48 0.85,0.48, height 0.9
J1-0603#2 [mm] "Chip Resistor, Body 1.6x0.8mm, IPC High Density"
  rect 0.7x0.9 smd: 1(0.75,0) 2(-0.75,0)
  body extent -0.85,-0.48 0.85,0.48, height 0.9
LED [mm]
  rect 0.8x0.8 smd: 1(-0.025,0) 2(1.475,0)
  silkscreen extent 0.63,-0.5 2.48,1.4